# KiCad board berlin.kicad_pcb
title: Berlin Keyboard; date: 2023-01-09; rev: 0.7; company: Berlinkeys
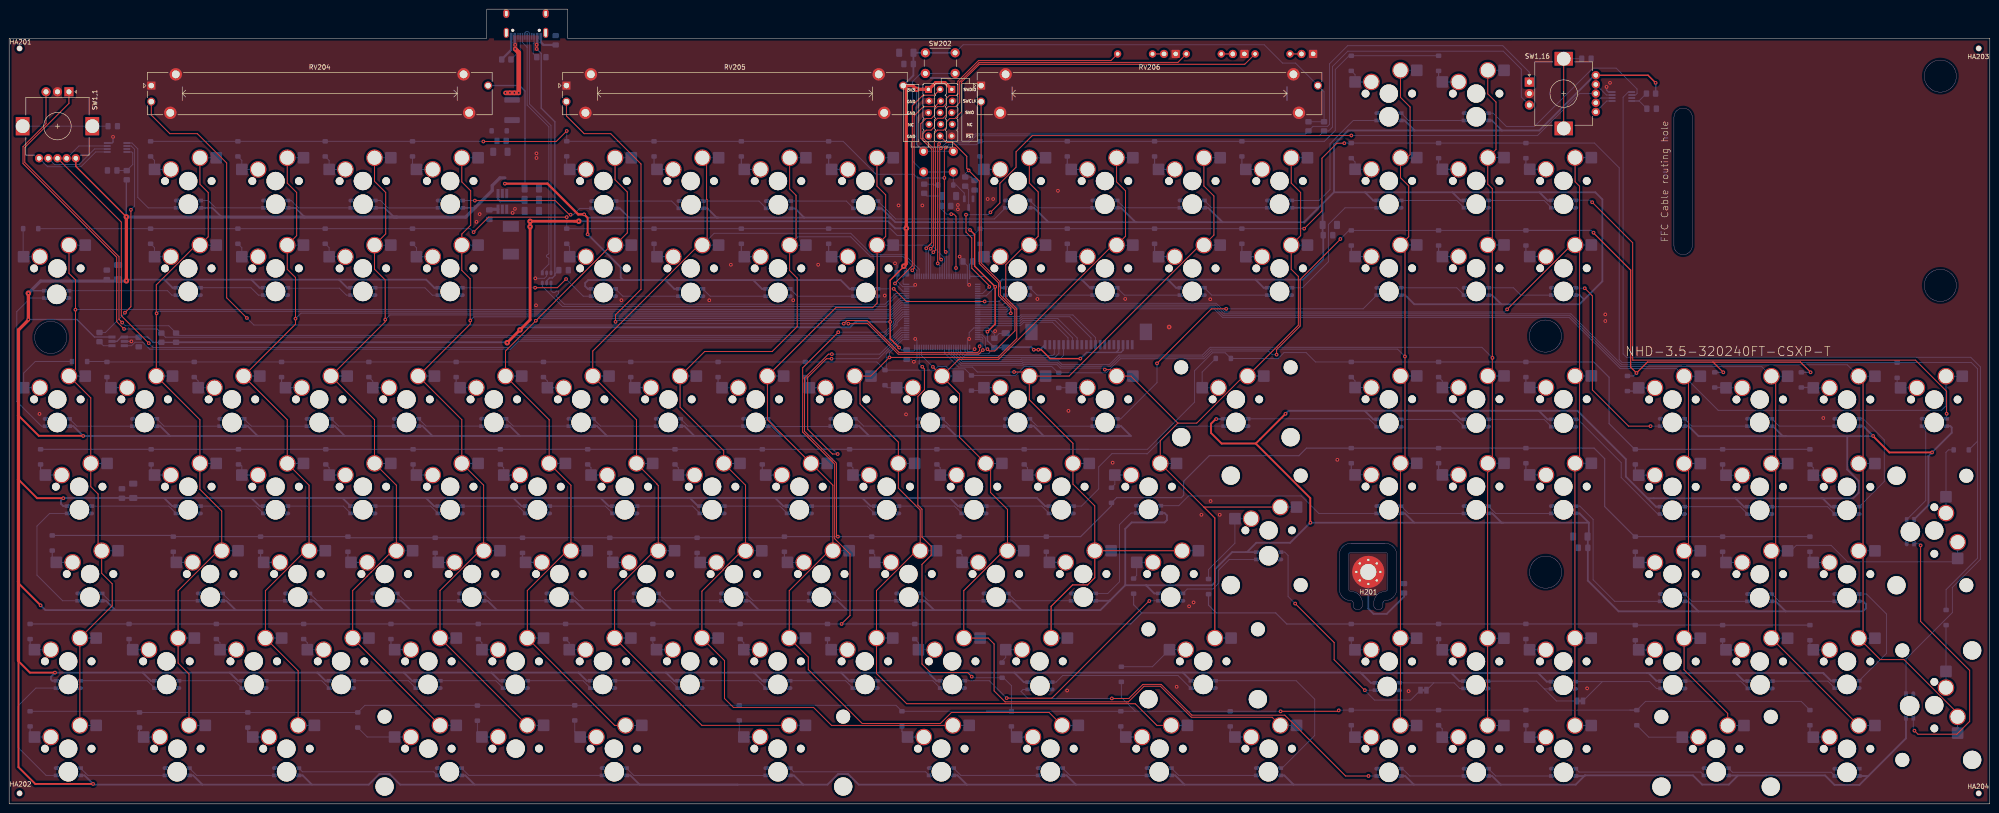
[diagram p0: board, top side]
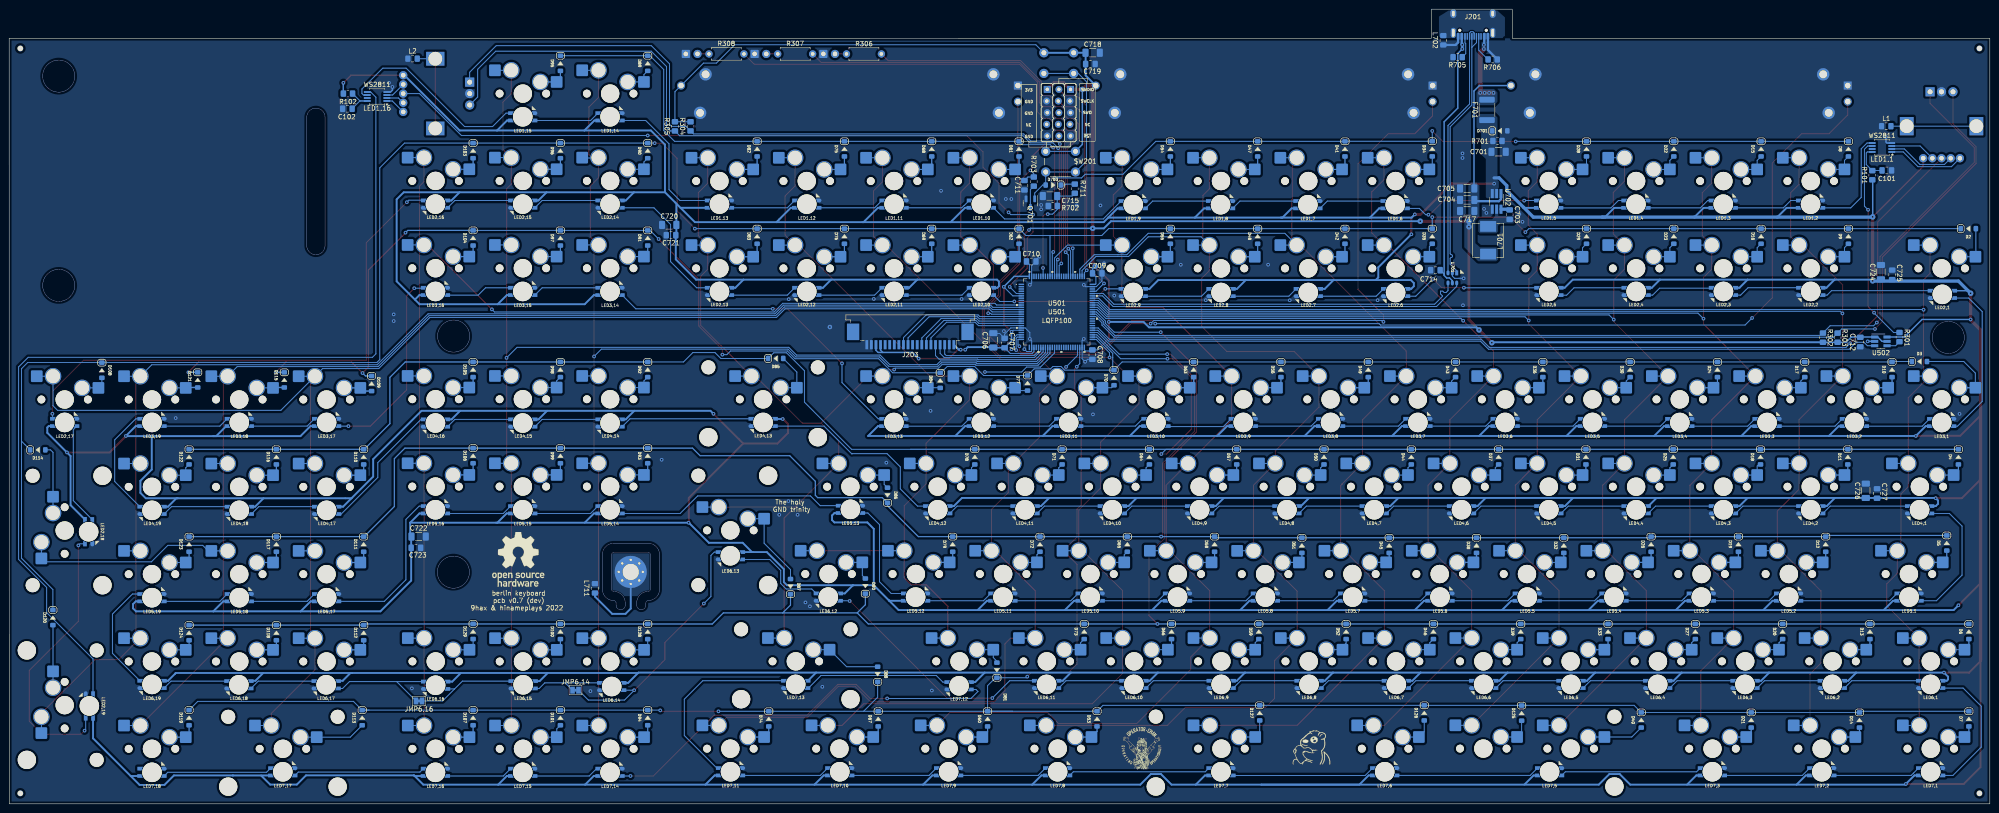
[diagram p1: board, bottom side, seen from below]

Outline 432.2 x 173.35 mm; copper layers: Top, Bottom. Coordinates in mm from the lower left corner of the outline.
Outline path: 121.87,167 432.2,167.02 432.18,0 0,0 0,167 104.22,167 104.22,173.35 121.87,173.35 closed ; circle c9.07,101.74 r3.5 ; circle c335.22,102.04 r3.5 ; circle c335.27,50.54 r3.5 ; circle c421.39,113.1 r3.5 ; circle c421.39,158.75 r3.5 ; 290.27,54.34 290.27,46.84 arc(291,45.07) 292.77,44.34 arc(293.12,44.19) 293.27,43.84 293.27,43.34 arc(294.27,42.34) 295.27,43.34 295.27,43.84 arc(294.53,45.61) 292.77,46.34 arc(292.41,46.49) 292.27,46.84 292.27,54.34 arc(292.41,54.69) 292.77,54.84 300.27,54.84 arc(300.62,54.69) 300.77,54.34 300.77,46.84 arc(300.62,46.49) 300.27,46.34 arc(298.5,45.61) 297.77,43.84 297.77,43.34 arc(298.77,42.34) 299.77,43.34 299.77,43.84 arc(299.91,44.19) 300.27,44.34 arc(302.03,45.07) 302.77,46.84 302.77,54.34 arc(302.03,56.11) 300.27,56.84 292.77,56.84 arc(291,56.11) 290.27,54.34 ; 363.27,149.79 363.27,121.79 arc(365.27,119.79) 367.27,121.79 367.27,149.79 arc(365.27,151.78) 363.27,149.79
Stack: Top 0.035mm / dielectric 1.51mm FR4 er 4.5 / Bottom 0.035mm

## Placement (name value [footprint] x y rotation side)
C101  100n  [C_0805_2012Metric_Pad1.18x1.45mm_HandSolder]  22.48 138.18 180 bottom
C102  100n  [C_0805_2012Metric_Pad1.18x1.45mm_HandSolder]  358.39 151.64 0 bottom
C701  22uF  [C_1206_3216Metric_Pad1.33x1.80mm_HandSolder]  107.19 142.24 180 bottom
C703  100n  [C_0805_2012Metric_Pad1.18x1.45mm_HandSolder]  104.78 128.52 270 bottom
C704  22uF  [C_1206_3216Metric_Pad1.33x1.80mm_HandSolder]  114.05 131.74 0 bottom
C705  22uF  [C_1206_3216Metric_Pad1.33x1.80mm_HandSolder]  114.05 134.24 0 bottom
C706  10u  [C_1206_3216Metric_Pad1.33x1.80mm_HandSolder]  217.45 101.11 90 bottom
C707  100n  [C_0805_2012Metric_Pad1.18x1.45mm_HandSolder]  214.99 100.52 90 bottom
C708  100n  [C_0805_2012Metric_Pad1.18x1.45mm_HandSolder]  195.83 97.99 270 bottom
C709  100n  [C_0805_2012Metric_Pad1.18x1.45mm_HandSolder]  194.77 115.72 180 bottom
C710  100n  [C_0805_2012Metric_Pad1.18x1.45mm_HandSolder]  209.17 118.31 180 bottom
C711  100nF  [C_0805_2012Metric_Pad1.18x1.45mm_HandSolder]  210.67 134.94 270 bottom
C712  100n  [C_0805_2012Metric_Pad1.18x1.45mm_HandSolder]  28.27 100.74 90 bottom
C714  4.7n  [C_0805_2012Metric_Pad1.18x1.45mm_HandSolder]  120.98 116.41 0 bottom
C715  10u  [C_1206_3216Metric_Pad1.33x1.80mm_HandSolder]  205.07 132.59 0 bottom
C717  22uF  [C_1206_3216Metric_Pad1.33x1.80mm_HandSolder]  114.05 129.34 0 bottom
C718  10u  [C_1206_3216Metric_Pad1.33x1.80mm_HandSolder]  195.77 163.85 180 bottom
C719  100n  [C_0805_2012Metric_Pad1.18x1.45mm_HandSolder]  196.27 161.39 180 bottom
C720  10u  [C_1206_3216Metric_Pad1.33x1.80mm_HandSolder]  288.17 126.29 0 bottom
C721  100n  [C_0805_2012Metric_Pad1.18x1.45mm_HandSolder]  287.78 124.05 0 bottom
C722  10u  [C_1206_3216Metric_Pad1.33x1.80mm_HandSolder]  342.85 58.31 180 bottom
C723  100n  [C_0805_2012Metric_Pad1.18x1.45mm_HandSolder]  343.44 55.85 180 bottom
C724  10u  [C_1206_3216Metric_Pad1.33x1.80mm_HandSolder]  23.77 115.99 90 bottom
C725  100n  [C_0805_2012Metric_Pad1.18x1.45mm_HandSolder]  21.31 115.4 90 bottom
C726  10u  [C_1206_3216Metric_Pad1.33x1.80mm_HandSolder]  27.07 68.29 90 bottom
C727  100n  [C_0805_2012Metric_Pad1.18x1.45mm_HandSolder]  24.61 67.7 90 bottom
D2  1N4148  [D_SOD-123]  4.7 125.48 180 bottom
D3  1N4148  [D_SOD-123]  15.37 96.49 180 bottom
D4  1N4148  [D_SOD-123]  6.86 75.69 270 bottom
D5  1N4148  [D_SOD-123]  9.4 56.9 270 bottom
D6  1N4148  [D_SOD-123]  4.57 37.59 270 bottom
D7  1N4148  [D_SOD-123]  4.57 18.54 270 bottom
D8  1N4148  [D_SOD-123]  30.86 142.88 270 bottom
D9  1N4148  [D_SOD-123]  30.86 123.82 270 bottom
D10  1N4148  [D_SOD-123]  21.34 94.74 270 bottom
D11  1N4148  [D_SOD-123]  30.99 75.69 270 bottom
D12  1N4148  [D_SOD-123]  35.81 56.64 270 bottom
D13  1N4148  [D_SOD-123]  26.16 37.59 270 bottom
D14  1N4148  [D_SOD-123]  28.45 18.29 270 bottom
D15  1N4148  [D_SOD-123]  49.91 142.88 270 bottom
D16  1N4148  [D_SOD-123]  49.91 123.82 270 bottom
D17  1N4148  [D_SOD-123]  40.39 94.74 270 bottom
D18  1N4148  [D_SOD-123]  50.04 75.69 270 bottom
D19  1N4148  [D_SOD-123]  54.86 56.64 270 bottom
D20  1N4148  [D_SOD-123]  45.21 37.59 270 bottom
D21  1N4148  [D_SOD-123]  52.07 18.29 270 bottom
D22  1N4148  [D_SOD-123]  68.96 142.88 270 bottom
D23  1N4148  [D_SOD-123]  68.96 123.82 270 bottom
D24  1N4148  [D_SOD-123]  59.44 94.74 270 bottom
D25  1N4148  [D_SOD-123]  69.09 75.69 270 bottom
D26  1N4148  [D_SOD-123]  73.91 56.64 270 bottom
D27  1N4148  [D_SOD-123]  64.26 37.59 270 bottom
D28  1N4148  [D_SOD-123]  88.01 142.88 270 bottom
D29  1N4148  [D_SOD-123]  88.01 123.82 270 bottom
D30  1N4148  [D_SOD-123]  78.49 94.74 270 bottom
D31  1N4148  [D_SOD-123]  88.14 75.69 270 bottom
D32  1N4148  [D_SOD-123]  92.96 56.39 270 bottom
D33  1N4148  [D_SOD-123]  83.31 37.59 270 bottom
D34  1N4148  [D_SOD-123]  121.67 142.89 270 bottom
D35  1N4148  [D_SOD-123]  121.67 123.82 270 bottom
D36  1N4148  [D_SOD-123]  97.54 94.74 270 bottom
D37  1N4148  [D_SOD-123]  107.19 75.69 270 bottom
D38  1N4148  [D_SOD-123]  112.01 56.39 270 bottom
D39  1N4148  [D_SOD-123]  102.36 37.59 270 bottom
D40  1N4148  [D_SOD-123]  76.07 18.29 270 bottom
D41  1N4148  [D_SOD-123]  140.72 142.88 270 bottom
D42  1N4148  [D_SOD-123]  140.72 123.82 270 bottom
D43  1N4148  [D_SOD-123]  116.59 94.74 270 bottom
D44  1N4148  [D_SOD-123]  126.24 75.69 270 bottom
D45  1N4148  [D_SOD-123]  131.06 56.39 270 bottom
D46  1N4148  [D_SOD-123]  121.41 37.59 270 bottom
D47  1N4148  [D_SOD-123]  159.77 142.88 270 bottom
D48  1N4148  [D_SOD-123]  159.77 123.82 270 bottom
D49  1N4148  [D_SOD-123]  135.64 94.74 270 bottom
D50  1N4148  [D_SOD-123]  145.29 75.69 270 bottom
D51  1N4148  [D_SOD-123]  150.11 56.39 270 bottom
D52  1N4148  [D_SOD-123]  140.46 37.59 270 bottom
D53  1N4148  [D_SOD-123]  194.82 18.54 270 bottom
D54  1N4148  [D_SOD-123]  178.82 142.88 270 bottom
D55  1N4148  [D_SOD-123]  178.82 123.82 270 bottom
D56  1N4148  [D_SOD-123]  154.69 94.74 270 bottom
D57  1N4148  [D_SOD-123]  164.34 75.69 270 bottom
D58  1N4148  [D_SOD-123]  169.16 56.64 270 bottom
D59  1N4148  [D_SOD-123]  159.51 37.59 270 bottom
D60  1N4148  [D_SOD-123]  218.69 18.54 270 bottom
D61  1N4148  [D_SOD-123]  211.84 142.88 270 bottom
D62  1N4148  [D_SOD-123]  211.84 123.82 270 bottom
D63  1N4148  [D_SOD-123]  173.74 94.74 270 bottom
D64  1N4148  [D_SOD-123]  183.39 75.69 270 bottom
D65  1N4148  [D_SOD-123]  188.21 56.64 270 bottom
D66  1N4148  [D_SOD-123]  178.56 37.59 270 bottom
D67  1N4148  [D_SOD-123]  242.57 18.54 270 bottom
D68  1N4148  [D_SOD-123]  230.89 142.88 270 bottom
D69  1N4148  [D_SOD-123]  230.89 123.82 270 bottom
D70  1N4148  [D_SOD-123]  191.11 92.96 270 bottom
D71  1N4148  [D_SOD-123]  202.44 75.69 270 bottom
D72  1N4148  [D_SOD-123]  207.26 56.64 270 bottom
D73  1N4148  [D_SOD-123]  197.61 37.59 270 bottom
D74  1N4148  [D_SOD-123]  266.45 18.54 270 bottom
D75  1N4148  [D_SOD-123]  249.94 142.88 270 bottom
D76  1N4148  [D_SOD-123]  249.94 123.82 270 bottom
D77  1N4148  [D_SOD-123]  209.98 91.8 270 bottom
D78  1N4148  [D_SOD-123]  221.49 75.69 270 bottom
D79  1N4148  [D_SOD-123]  226.31 56.64 270 bottom
D80  1N4148  [D_SOD-123]  245.36 47.5 90 bottom
D81  1N4148  [D_SOD-123]  216.67 29.15 90 bottom
D82  1N4148  [D_SOD-123]  268.99 142.88 270 bottom
D83  1N4148  [D_SOD-123]  268.99 123.82 270 bottom
D84  1N4148  [D_SOD-123]  229.03 92.38 270 bottom
D85  1N4148  [D_SOD-123]  264.94 97.16 180 bottom
D86  1N4148  [D_SOD-123]  240.54 67.31 90 bottom
D87  1N4148  [D_SOD-123]  261.71 47.39 90 bottom
D88  1N4148  [D_SOD-123]  242.69 28.26 90 bottom
D89  1N4148  [D_SOD-123]  292.86 161.54 270 bottom
D90  1N4148  [D_SOD-123]  292.86 142.49 270 bottom
D91  1N4148  [D_SOD-123]  292.86 123.44 270 bottom
D92  1N4148  [D_SOD-123]  292.86 94.74 270 bottom
D93  1N4148  [D_SOD-123]  292.86 75.95 270 bottom
D94  1N4148  [D_SOD-123]  292.86 18.8 270 bottom
D95  1N4148  [D_SOD-123]  311.91 161.54 270 bottom
D96  1N4148  [D_SOD-123]  311.91 142.49 270 bottom
D97  1N4148  [D_SOD-123]  311.91 123.44 270 bottom
D98  1N4148  [D_SOD-123]  311.91 94.74 270 bottom
D99  1N4148  [D_SOD-123]  311.91 75.95 270 bottom
D100  1N4148  [D_SOD-123]  311.91 37.59 270 bottom
D101  1N4148  [D_SOD-123]  311.91 18.8 270 bottom
D103  1N4148  [D_SOD-123]  330.96 142.49 270 bottom
D104  1N4148  [D_SOD-123]  330.96 123.44 270 bottom
D105  1N4148  [D_SOD-123]  330.96 94.74 270 bottom
D106  1N4148  [D_SOD-123]  330.96 75.95 270 bottom
D107  1N4148  [D_SOD-123]  330.96 18.8 270 bottom
D108  1N4148  [D_SOD-123]  411.97 94.59 270 bottom
D109  1N4148  [D_SOD-123]  353.11 91.69 270 bottom
D110  1N4148  [D_SOD-123]  354.84 75.69 270 bottom
D111  1N4148  [D_SOD-123]  354.84 56.64 270 bottom
D112  1N4148  [D_SOD-123]  354.84 37.34 270 bottom
D113  1N4148  [D_SOD-123]  355.17 18.79 270 bottom
D114  1N4148  [D_SOD-123]  425.96 77.22 180 bottom
D115  1N4148  [D_SOD-123]  372.16 92.48 270 bottom
D116  1N4148  [D_SOD-123]  373.89 75.69 270 bottom
D117  1N4148  [D_SOD-123]  373.89 56.64 270 bottom
D118  1N4148  [D_SOD-123]  373.89 37.34 270 bottom
D119  1N4148  [D_SOD-123]  392.94 18.8 270 bottom
D120  1N4148  [D_SOD-123]  422.66 40.64 270 bottom
D121  1N4148  [D_SOD-123]  391.06 92.48 270 bottom
D122  1N4148  [D_SOD-123]  392.94 75.69 270 bottom
D123  1N4148  [D_SOD-123]  392.94 56.64 270 bottom
D124  1N4148  [D_SOD-123]  392.94 37.34 270 bottom
D125  1N4148  [D_SOD-123]  102.17 19.79 270 bottom
D126  1N4148  [D_SOD-123]  123.42 19.84 270 bottom
D127  1N4148  [D_SOD-123]  159.32 19.84 270 bottom
D128  1N4148  [D_SOD-123]  292.86 37.58 270 bottom
D129  1N4148  [D_SOD-123]  330.96 37.61 270 bottom
D701  RB060M-60TR  [D_SOD-123]  106.93 146.81 180 bottom
D703  1N4148  [D_SOD-123]  204.37 134.99 0 bottom
F701  1.5A Polyfuse  [Fuse_1812_4532Metric_Pad1.30x3.40mm_HandSolder]  109.73 151.38 90 bottom
H201  MountingHole_Pad  [MountingHole_3.5mm_Pad_Via]  296.57 50.59 0 top
HA201  MountingHole  [ToolingHole_1.152mm_(for_JLCPCB_SMT)]  2.27 164.79 0 top
HA202  MountingHole  [ToolingHole_1.152mm_(for_JLCPCB_SMT)]  2.27 2.29 0 top
HA203  MountingHole  [ToolingHole_1.152mm_(for_JLCPCB_SMT)]  429.77 164.79 0 top
HA204  MountingHole  [ToolingHole_1.152mm_(for_JLCPCB_SMT)]  429.77 2.29 0 top
J201  TYPE-C-31-M12_13  [TYPE-C-31-M-12]  112.78 166.69 0 bottom
J202  Conn_01x14  [Conn_ARM_JTAG_SWD_10_DUAL_SIDE]  204.47 150.77 180 bottom
J203  -  [TE_2-84953-0_1x20-1MP_P1.0mm_Horizontal]  235.56 101.96 0 bottom
JMP6,14  JumpLED_6,15  [SolderJumper-2_P1.3mm_Bridged_Pad1.0x1.5mm]  308.62 24.79 180 bottom
JMP6,16  JumpLED_6,15  [SolderJumper-2_P1.3mm_Bridged_Pad1.0x1.5mm]  342.77 22.44 0 bottom
L1  L_Core_Ferrite  [L_0805_2012Metric_Pad1.15x1.40mm_HandSolder]  22.61 147.83 180 bottom
L2  L_Core_Ferrite  [L_0805_2012Metric_Pad1.15x1.40mm_HandSolder]  344.17 162.56 180 bottom
L701  6.8uH  [Sumida0624CDMCC]  109.47 122.94 270 bottom
L702  L_Core_Ferrite  [L_0805_2012Metric_Pad1.15x1.40mm_HandSolder]  119.25 166.57 270 bottom
L711  L_Core_Ferrite  [L_0805_2012Metric_Pad1.15x1.40mm_HandSolder]  304.37 47.01 270 bottom
LED1,1  WS2811  [WS2811S]  23.54 143.19 0 bottom
LED1,2  WS2812B  [SK6812MINI_3535_6028_3.2x2.8mm_Round]  39.12 130.81 0 bottom
LED1,3  WS2812B  [SK6812MINI_3535_6028_3.2x2.8mm_Round]  58.17 130.81 0 bottom
LED1,4  WS2812B  [SK6812MINI_3535_6028_3.2x2.8mm_Round]  77.22 130.81 0 bottom
LED1,5  WS2812B  [SK6812MINI_3535_6028_3.2x2.8mm_Round]  96.27 130.81 0 bottom
LED1,6  WS2812B  [SK6812MINI_3535_6028_3.2x2.8mm_Round]  129.76 130.7 0 bottom
LED1,7  WS2812B  [SK6812MINI_3535_6028_3.2x2.8mm_Round]  148.81 130.7 0 bottom
LED1,8  WS2812B  [SK6812MINI_3535_6028_3.2x2.8mm_Round]  167.86 130.7 0 bottom
LED1,9  WS2812B  [SK6812MINI_3535_6028_3.2x2.8mm_Round]  186.91 130.7 0 bottom
LED1,10  WS2812B  [SK6812MINI_3535_6028_3.2x2.8mm_Round]  220.05 130.82 0 bottom
LED1,11  WS2812B  [SK6812MINI_3535_6028_3.2x2.8mm_Round]  239.1 130.82 0 bottom
LED1,12  WS2812B  [SK6812MINI_3535_6028_3.2x2.8mm_Round]  258.15 130.82 0 bottom
LED1,13  WS2812B  [SK6812MINI_3535_6028_3.2x2.8mm_Round]  277.2 130.82 0 bottom
LED1,14  WS2812B  [SK6812MINI_3535_6028_3.2x2.8mm_Round]  301.08 149.87 0 bottom
LED1,15  WS2812B  [SK6812MINI_3535_6028_3.2x2.8mm_Round]  320.13 149.87 0 bottom
LED1,16  WS2811  [WS2811S]  351.92 154.3 0 bottom
LED2,1  WS2812B  [SK6812MINI_3535_6028_3.2x2.8mm_Round]  10.37 111.14 180 bottom
LED2,2  WS2812B  [SK6812MINI_3535_6028_3.2x2.8mm_Round]  39.08 111.77 180 bottom
LED2,3  WS2812B  [SK6812MINI_3535_6028_3.2x2.8mm_Round]  58.13 111.77 180 bottom
LED2,4  WS2812B  [SK6812MINI_3535_6028_3.2x2.8mm_Round]  77.18 111.77 180 bottom
LED2,5  WS2812B  [SK6812MINI_3535_6028_3.2x2.8mm_Round]  96.23 111.77 180 bottom
LED2,6  WS2812B  [SK6812MINI_3535_6028_3.2x2.8mm_Round]  129.67 111.54 180 bottom
LED2,7  WS2812B  [SK6812MINI_3535_6028_3.2x2.8mm_Round]  148.72 111.54 180 bottom
LED2,8  WS2812B  [SK6812MINI_3535_6028_3.2x2.8mm_Round]  167.77 111.54 180 bottom
LED2,9  WS2812B  [SK6812MINI_3535_6028_3.2x2.8mm_Round]  186.92 111.54 180 bottom
LED2,10  WS2812B  [SK6812MINI_3535_6028_3.2x2.8mm_Round]  220.05 111.77 180 bottom
LED2,11  WS2812B  [SK6812MINI_3535_6028_3.2x2.8mm_Round]  239.1 111.77 180 bottom
LED2,12  WS2812B  [SK6812MINI_3535_6028_3.2x2.8mm_Round]  258.15 111.77 180 bottom
LED2,13  WS2812B  [SK6812MINI_3535_6028_3.2x2.8mm_Round]  277.2 111.77 180 bottom
LED2,14  WS2812B  [SK6812MINI_3535_6028_3.2x2.8mm_Round]  301.08 130.82 180 bottom
LED2,15  WS2812B  [SK6812MINI_3535_6028_3.2x2.8mm_Round]  320.13 130.82 180 bottom
LED2,16  WS2812B  [SK6812MINI_3535_6028_3.2x2.8mm_Round]  339.18 130.82 180 bottom
LED2,17  WS2812B  [SK6812MINI_3535_6028_3.2x2.8mm_Round]  420.08 83.2 0 bottom
LED2,18  WS2812B  [SK6812MINI_3535_6028_3.2x2.8mm_Round]  414.86 59.36 90 bottom
LED2,19  WS2812B  [SK6812MINI_3535_6028_3.2x2.8mm_Round]  414.7 21.36 270 bottom
LED3,1  WS2812B  [SK6812MINI_3535_6028_3.2x2.8mm_Round]  10.5 83.18 0 bottom
LED3,2  WS2812B  [SK6812MINI_3535_6028_3.2x2.8mm_Round]  29.55 83.18 0 bottom
LED3,3  WS2812B  [SK6812MINI_3535_6028_3.2x2.8mm_Round]  48.6 83.18 0 bottom
LED3,4  WS2812B  [SK6812MINI_3535_6028_3.2x2.8mm_Round]  67.65 83.18 0 bottom
LED3,5  WS2812B  [SK6812MINI_3535_6028_3.2x2.8mm_Round]  86.7 83.2 0 bottom
LED3,6  WS2812B  [SK6812MINI_3535_6028_3.2x2.8mm_Round]  105.75 83.2 0 bottom
LED3,7  WS2812B  [SK6812MINI_3535_6028_3.2x2.8mm_Round]  124.8 83.2 0 bottom
LED3,8  WS2812B  [SK6812MINI_3535_6028_3.2x2.8mm_Round]  143.85 83.2 0 bottom
LED3,9  WS2812B  [SK6812MINI_3535_6028_3.2x2.8mm_Round]  162.9 83.2 0 bottom
LED3,10  WS2812B  [SK6812MINI_3535_6028_3.2x2.8mm_Round]  181.95 83.2 0 bottom
LED3,11  WS2812B  [SK6812MINI_3535_6028_3.2x2.8mm_Round]  201 83.2 0 bottom
LED3,12  WS2812B  [SK6812MINI_3535_6028_3.2x2.8mm_Round]  220.05 83.2 0 bottom
LED3,13  WS2812B  [SK6812MINI_3535_6028_3.2x2.8mm_Round]  239.14 83.18 0 bottom
LED3,14  WS2812B  [SK6812MINI_3535_6028_3.2x2.8mm_Round]  301.08 111.77 0 bottom
LED3,15  WS2812B  [SK6812MINI_3535_6028_3.2x2.8mm_Round]  320.13 111.77 0 bottom
LED3,16  WS2812B  [SK6812MINI_3535_6028_3.2x2.8mm_Round]  339.18 111.77 0 bottom
LED3,17  WS2812B  [SK6812MINI_3535_6028_3.2x2.8mm_Round]  362.93 83.2 0 bottom
LED3,18  WS2812B  [SK6812MINI_3535_6028_3.2x2.8mm_Round]  381.98 83.2 0 bottom
LED3,19  WS2812B  [SK6812MINI_3535_6028_3.2x2.8mm_Round]  401.03 83.2 0 bottom
LED4,1  WS2812B  [SK6812MINI_3535_6028_3.2x2.8mm_Round]  15.33 64.15 180 bottom
LED4,2  WS2812B  [SK6812MINI_3535_6028_3.2x2.8mm_Round]  39.08 64.15 180 bottom
LED4,3  WS2812B  [SK6812MINI_3535_6028_3.2x2.8mm_Round]  58.13 64.15 180 bottom
LED4,4  WS2812B  [SK6812MINI_3535_6028_3.2x2.8mm_Round]  77.18 64.15 180 bottom
LED4,5  WS2812B  [SK6812MINI_3535_6028_3.2x2.8mm_Round]  96.23 64.15 180 bottom
LED4,6  WS2812B  [SK6812MINI_3535_6028_3.2x2.8mm_Round]  115.28 64.15 180 bottom
LED4,7  WS2812B  [SK6812MINI_3535_6028_3.2x2.8mm_Round]  134.33 64.15 180 bottom
LED4,8  WS2812B  [SK6812MINI_3535_6028_3.2x2.8mm_Round]  153.38 64.15 180 bottom
LED4,9  WS2812B  [SK6812MINI_3535_6028_3.2x2.8mm_Round]  172.43 64.15 180 bottom
LED4,10  WS2812B  [SK6812MINI_3535_6028_3.2x2.8mm_Round]  191.48 64.15 180 bottom
LED4,11  WS2812B  [SK6812MINI_3535_6028_3.2x2.8mm_Round]  210.53 64.15 180 bottom
LED4,12  WS2812B  [SK6812MINI_3535_6028_3.2x2.8mm_Round]  229.58 64.15 180 bottom
LED4,13  WS2812B  [SK6812MINI_3535_6028_3.2x2.8mm_Round]  267.68 83.2 180 bottom
LED4,14  WS2812B  [SK6812MINI_3535_6028_3.2x2.8mm_Round]  301.08 83.07 180 bottom
LED4,15  WS2812B  [SK6812MINI_3535_6028_3.2x2.8mm_Round]  320.13 83.07 180 bottom
LED4,16  WS2812B  [SK6812MINI_3535_6028_3.2x2.8mm_Round]  339.18 83.07 180 bottom
LED4,17  WS2812B  [SK6812MINI_3535_6028_3.2x2.8mm_Round]  362.93 64.02 180 bottom
LED4,18  WS2812B  [SK6812MINI_3535_6028_3.2x2.8mm_Round]  381.98 64.02 180 bottom
LED4,19  WS2812B  [SK6812MINI_3535_6028_3.2x2.8mm_Round]  401.03 64.02 180 bottom
LED5,1  WS2812B  [SK6812MINI_3535_6028_3.2x2.8mm_Round]  17.62 45.1 0 bottom
LED5,2  WS2812B  [SK6812MINI_3535_6028_3.2x2.8mm_Round]  43.9 45.1 0 bottom
LED5,3  WS2812B  [SK6812MINI_3535_6028_3.2x2.8mm_Round]  62.95 45.1 0 bottom
LED5,4  WS2812B  [SK6812MINI_3535_6028_3.2x2.8mm_Round]  82 45.1 0 bottom
LED5,5  WS2812B  [SK6812MINI_3535_6028_3.2x2.8mm_Round]  100.93 45.1 0 bottom
LED5,6  WS2812B  [SK6812MINI_3535_6028_3.2x2.8mm_Round]  119.98 45.1 0 bottom
LED5,7  WS2812B  [SK6812MINI_3535_6028_3.2x2.8mm_Round]  139.03 45.1 0 bottom
LED5,8  WS2812B  [SK6812MINI_3535_6028_3.2x2.8mm_Round]  158.08 45.1 0 bottom
LED5,9  WS2812B  [SK6812MINI_3535_6028_3.2x2.8mm_Round]  177.25 45.1 0 bottom
LED5,10  WS2812B  [SK6812MINI_3535_6028_3.2x2.8mm_Round]  196.3 45.1 0 bottom
LED5,11  WS2812B  [SK6812MINI_3535_6028_3.2x2.8mm_Round]  215.35 45.1 0 bottom
LED5,12  WS2812B  [SK6812MINI_3535_6028_3.2x2.8mm_Round]  234.4 45.1 0 bottom
LED5,13  WS2812B  [SK6812MINI_3535_6028_3.2x2.8mm_Round]  248.62 64.24 0 bottom
LED5,14  WS2812B  [SK6812MINI_3535_6028_3.2x2.8mm_Round]  301.08 64.15 0 bottom
LED5,15  WS2812B  [SK6812MINI_3535_6028_3.2x2.8mm_Round]  320.13 64.15 0 bottom
LED5,16  WS2812B  [SK6812MINI_3535_6028_3.2x2.8mm_Round]  339.18 64.15 0 bottom
LED5,17  WS2812B  [SK6812MINI_3535_6028_3.2x2.8mm_Round]  362.93 44.97 0 bottom
LED5,18  WS2812B  [SK6812MINI_3535_6028_3.2x2.8mm_Round]  381.98 44.97 0 bottom
LED5,19  WS2812B  [SK6812MINI_3535_6028_3.2x2.8mm_Round]  401.03 44.97 0 bottom
LED6,1  WS2812B  [SK6812MINI_3535_6028_3.2x2.8mm_Round]  12.92 26.05 180 bottom
LED6,2  WS2812B  [SK6812MINI_3535_6028_3.2x2.8mm_Round]  34.38 26.05 180 bottom
LED6,3  WS2812B  [SK6812MINI_3535_6028_3.2x2.8mm_Round]  53.43 26.05 180 bottom
LED6,4  WS2812B  [SK6812MINI_3535_6028_3.2x2.8mm_Round]  72.48 26.05 180 bottom
LED6,5  WS2812B  [SK6812MINI_3535_6028_3.2x2.8mm_Round]  91.4 26.05 180 bottom
LED6,6  WS2812B  [SK6812MINI_3535_6028_3.2x2.8mm_Round]  110.45 26.05 180 bottom
LED6,7  WS2812B  [SK6812MINI_3535_6028_3.2x2.8mm_Round]  129.5 26.05 180 bottom
LED6,8  WS2812B  [SK6812MINI_3535_6028_3.2x2.8mm_Round]  148.55 26.05 180 bottom
LED6,9  WS2812B  [SK6812MINI_3535_6028_3.2x2.8mm_Round]  167.73 26.05 180 bottom
LED6,10  WS2812B  [SK6812MINI_3535_6028_3.2x2.8mm_Round]  186.78 26.05 180 bottom
LED6,11  WS2812B  [SK6812MINI_3535_6028_3.2x2.8mm_Round]  205.83 26.05 180 bottom
LED6,12  WS2812B  [SK6812MINI_3535_6028_3.2x2.8mm_Round]  253.45 45.1 180 bottom
LED6,13  WS2812B  [SK6812MINI_3535_6028_3.2x2.8mm_Round]  274.83 54.12 180 bottom
LED6,14  WS2812B  [SK6812MINI_3535_6028_3.2x2.8mm_Round]  300.72 25.59 180 bottom
LED6,15  WS2812B  [SK6812MINI_3535_6028_3.2x2.8mm_Round]  320.05 25.97 180 bottom
LED6,16  WS2812B  [SK6812MINI_3535_6028_3.2x2.8mm_Round]  339.14 25.86 180 bottom
LED6,17  WS2812B  [SK6812MINI_3535_6028_3.2x2.8mm_Round]  363.03 25.97 180 bottom
LED6,18  WS2812B  [SK6812MINI_3535_6028_3.2x2.8mm_Round]  382.08 25.97 180 bottom
LED6,19  WS2812B  [SK6812MINI_3535_6028_3.2x2.8mm_Round]  401.03 26.05 180 bottom
LED7,1  WS2812B  [SK6812MINI_3535_6028_3.2x2.8mm_Round]  12.92 7 0 bottom
LED7,2  WS2812B  [SK6812MINI_3535_6028_3.2x2.8mm_Round]  36.67 7 0 bottom
LED7,3  WS2812B  [SK6812MINI_3535_6028_3.2x2.8mm_Round]  60.54 7 0 bottom
LED7,5  WS2812B  [SK6812MINI_3535_6028_3.2x2.8mm_Round]  96.07 6.99 0 bottom
LED7,6  WS2812B  [SK6812MINI_3535_6028_3.2x2.8mm_Round]  132.04 7 0 bottom
LED7,7  WS2812B  [SK6812MINI_3535_6028_3.2x2.8mm_Round]  167.77 6.99 0 bottom
LED7,8  WS2812B  [SK6812MINI_3535_6028_3.2x2.8mm_Round]  203.42 7 0 bottom
LED7,9  WS2812B  [SK6812MINI_3535_6028_3.2x2.8mm_Round]  227.2 7 0 bottom
LED7,10  WS2812B  [SK6812MINI_3535_6028_3.2x2.8mm_Round]  250.95 7 0 bottom
LED7,11  WS2812B  [SK6812MINI_3535_6028_3.2x2.8mm_Round]  274.79 7 0 bottom
LED7,12  WS2812B  [SK6812MINI_3535_6028_3.2x2.8mm_Round]  224.93 25.75 180 bottom
LED7,13  WS2812B  [SK6812MINI_3535_6028_3.2x2.8mm_Round]  260.57 26.05 180 bottom
LED7,14  WS2812B  [SK6812MINI_3535_6028_3.2x2.8mm_Round]  301.08 6.87 0 bottom
LED7,15  WS2812B  [SK6812MINI_3535_6028_3.2x2.8mm_Round]  320.13 6.87 0 bottom
LED7,16  WS2812B  [SK6812MINI_3535_6028_3.2x2.8mm_Round]  339.18 6.87 0 bottom
LED7,17  WS2812B  [SK6812MINI_3535_6028_3.2x2.8mm_Round]  372.49 6.98 0 bottom
LED7,18  WS2812B  [SK6812MINI_3535_6028_3.2x2.8mm_Round]  401.03 6.87 0 bottom
LED201  LED  [LED_THT_2.54mm]  253.27 163.59 0 top
LED202  LED  [LED_THT_2.54mm]  268.27 163.59 0 top
LED203  LED  [LED_THT_2.54mm]  283.27 163.59 0 top
LOGO201  Logo_Open_Hardware_Large  [OSHW-Logo_11.4x12mm_SilkScreen]  321.12 53.34 180 bottom
Q701  DTC123J  [SOT-23]  209.37 131.04 270 bottom
R101  33  [R_0805_2012Metric_Pad1.20x1.40mm_HandSolder]  25.65 137.13 90 bottom
R102  33  [R_0805_2012Metric_Pad1.20x1.40mm_HandSolder]  358.27 154.94 180 bottom
R301  100 1%  [R_0805_2012Metric_Pad1.20x1.40mm_HandSolder]  19.71 101.82 270 bottom
R302  10k  [R_0805_2012Metric_Pad1.20x1.40mm_HandSolder]  36.42 101.69 270 bottom
R303  10k  [R_0805_2012Metric_Pad1.20x1.40mm_HandSolder]  33.22 101.69 270 bottom
R304  10k  [R_0805_2012Metric_Pad1.20x1.40mm_HandSolder]  283.52 147.79 90 bottom
R305  10k  [R_0805_2012Metric_Pad1.20x1.40mm_HandSolder]  286.92 147.79 90 bottom
R306  330  [R_Axial_DIN0207_L6.3mm_D2.5mm_P7.62mm_Horizontal]  241.87 163.59 0 bottom
R307  330  [R_Axial_DIN0207_L6.3mm_D2.5mm_P7.62mm_Horizontal]  256.87 163.59 0 bottom
R308  330  [R_Axial_DIN0207_L6.3mm_D2.5mm_P7.62mm_Horizontal]  271.87 163.59 0 bottom
R701  100k  [R_0805_2012Metric_Pad1.20x1.40mm_HandSolder]  107.44 144.61 0 bottom
R702  1M 1%  [R_0805_2012Metric_Pad1.20x1.40mm_HandSolder]  204.47 130.43 180 bottom
R703  100 1%  [R_0805_2012Metric_Pad1.20x1.40mm_HandSolder]  208.62 135.74 270 bottom